# Altium PCB CrypTech.PcbDoc (part 2 of 6) (continued)
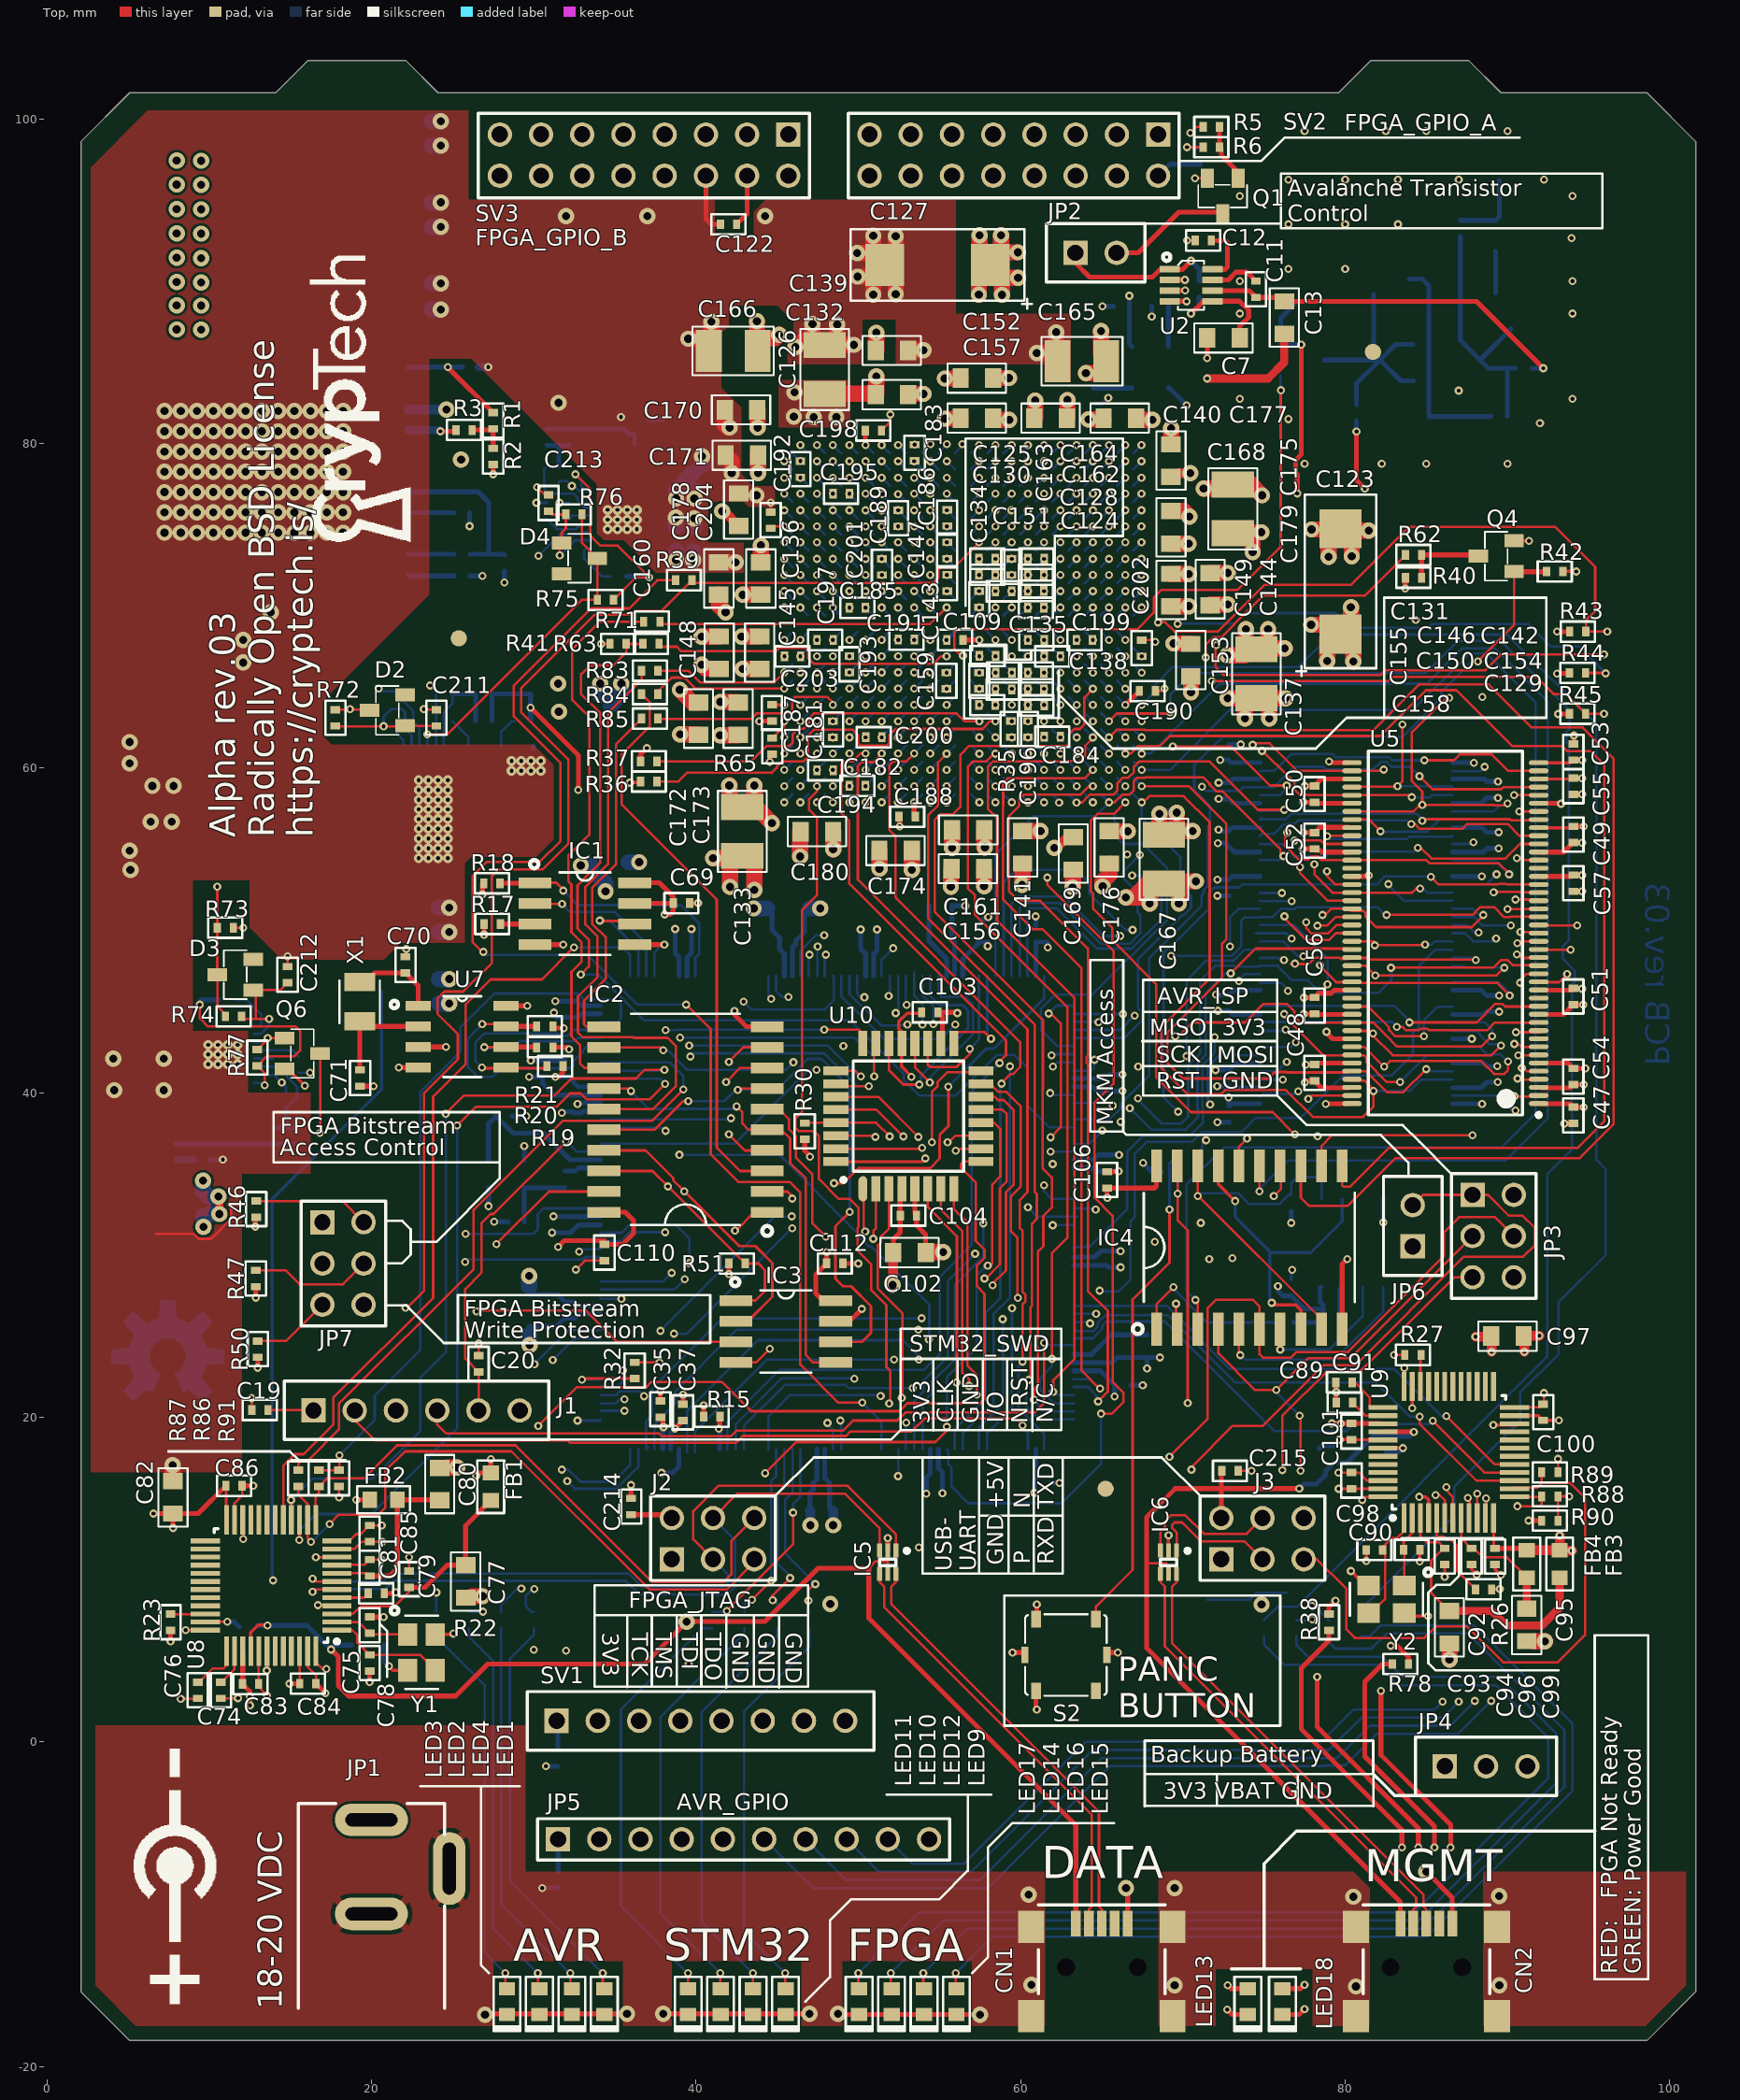
[diagram p0: Top view]
## Nets (pads, with @x,y where several pads share a name; then routed paths per layer and width w, separated by ;. In a path a pad name is that pad's centre, name@x,y a point inside that pad or via, vN(x,y) a via of type N, cw(c..) or ccw(c..) an arc to the next point about the centre after c; other vN are vias at no path point) (continued)
  Top w0.15: v1(47.902,43.877) 47.9,43.875 50.05,43.875 50.289,43.636 U10.24@50.289,42.792
  Inner Layer 2 w0.15: v1(38.127,43.852) 33.6,48.379 33.6,53.25 34.3,53.95 34.3,60.075 36.55,62.325 36.55,68.475 43,74.925 43,78.575 43.81,79.385 46.938,79.385 v1(47.449,79.896)
  Bottom w0.15: v1(38.127,43.852) 38.805,43.852 38.828,43.875 47.9,43.875 v1(47.902,43.877) ; v1(47.449,79.896) U13.A20@47.944,79.4
AVR_GPIO_FPGA_2: U10.25 U13.A18 | length 59.5
  Top w0.15: U10.25@48.608,41.35 49.804,41.35 v1(50.152,41.002)
  Inner Layer 2 w0.15: v1(39.575,42.9) 39.575,43.75 35.6,47.725 35.6,54.8 36.6,55.8 36.6,59.975 37.55,60.925 37.55,66.375 42.575,71.4 42.9,71.4 44.775,73.275 44.775,73.906 45.246,74.376 45.776,74.376 45.918,74.517 45.918,75.1 46.225,75.407 46.708,75.407 46.974,75.674 46.974,78.086 47.252,78.364 47.58,78.364 47.965,78.749 47.965,79.102 48.243,79.38 48.94,79.38 v1(49.456,79.896)
  Bottom w0.15: v1(39.575,42.9) 48.125,42.9 50.023,41.002 v1(50.152,41.002) ; v1(49.456,79.896) U13.A18@49.951,79.4
AVR_GPIO_FPGA_3: U10.26 U13.A19 | length 66.9
  Top w0.15: U10.26@48.841,40.557 48.998,40.4 v1(50.65,40.4)
  Inner Layer 2 w0.15: v1(39.65,42.225) 39.05,42.225 32.952,48.323 32.952,51.995 32.175,52.772 32.175,54.625 33.375,55.825 33.375,68.672 38.878,74.175 40.15,74.175 40.825,74.85 40.825,78.175 42.575,79.925 45.791,79.925 46.236,80.371 47.646,80.371 48.121,79.896 v1(48.44,79.896)
  Bottom w0.15: v1(39.65,42.225) 39.675,42.225 39.875,42.425 47.888,42.425 49.913,40.4 v1(50.65,40.4) ; v1(48.44,79.896) U13.A19@48.935,79.4
AVR_LED1: R96.2 U10.9 | length 60.3
  Top w0.15: v1(30.276,19.476) 32.651,21.85 36.925,21.85 37.25,22.175 41.6,22.175 43.4,20.375 52.525,20.375 53.013,20.863 57.513,20.863 57.775,21.125 57.775,27.604 57.303,28.076 57.303,29.35 57.775,29.822 57.775,30.325 57.225,30.875 57.225,32.147 57.25,32.172 57.25,34.45 56.325,35.375 56.325,35.625 56.456,35.756 U10.9@57.325,35.756
  Inner Layer 2 w0.15: v1(24,9.2) 27.938,13.137 27.938,17.137 v1(30.276,19.476)
  Bottom w0.15: R96.2@24,8 v1(24,9.2)
AVR_LED2: R95.2 U10.10 | length 45.7
  Top w0.15: v1(56,36.425) 56.118,36.543 U10.10@57.325,36.543
  Inner Layer 1 w0.15: v1(30.026,9.425) v1@30.026,9.549
  Inner Layer 2 w0.15: v1(30.026,9.425) 30.026,16.898 31.703,18.575 32.147,18.575 38.65,25.078 v1(38.65,25.15) ; v1(45.925,31.65) 49.147,31.65 49.822,32.325 52.925,32.325 56,35.4 v1(56,36.425)
  Bottom w0.15: R95.2@30,8 29.875,8 29.525,8.35 29.525,9 30,9.475 30.026,9.449 v1(30.026,9.425) ; v1(38.65,25.15) 39.425,25.15 v1(45.925,31.65)
AVR_LED3: R31.2 U10.11 | length 47.2
  Top w0.15: v1(55.5,36.95) 55.575,36.95 55.981,37.356 U10.11@57.325,37.356
  Inner Layer 2 w0.15: v1(29.238,9.45) 29.238,17.138 35.025,22.925 35.025,23.097 37.253,25.325 v1(37.8,25.325) ; v1(45.9,32.375) 48.55,32.375 49,32.825 49,32.847 49.278,33.125 52.925,33.125 55.5,35.7 v1(55.5,36.95)
  Bottom w0.15: R31.2@28,8 28,8.462 29.113,9.575 v1(29.238,9.45) ; v1(37.8,25.325) 44.85,32.375 v1(45.9,32.375)
AVR_LED4: R97.2 U10.12 | length 55.5
  Top w0.15: v1(44.25,16.55) 46.175,18.475 54.75,18.475 v1@55.475,19.2 ; U10.12@57.325,38.144 58.381,38.144 58.75,37.775 58.75,34.85 58.25,34.35 58.25,29.475 58.125,29.35 v1(57.975,29.35)
  Inner Layer 2 w0.15: v1@26.975,7.925 30.15,7.925 38.775,16.55 v1(44.25,16.55)
  Bottom w0.15: R97.2@26,8 26.851,8 v1(26.876,8.025) ; v1(55.453,19.426) 55.453,22.453 57.303,24.303 57.303,28.748 57.905,29.35 v1(57.975,29.35)
AVR_PANIC: R82.1 S2.A2 U10.13 | length 56.7
  Top w0.15: U10.13@57.325,38.956 58.869,38.956 59.15,38.675 59.15,34.525 58.725,34.1 58.725,29.428 57.848,28.551 v1(57.778,28.551) ; S2.A2@64.65,7.561 64.65,8.35 66.9,10.6 66.9,27.262 69.175,29.537 v1(69.175,32.8)
  Inner Layer 2 w0.15: v1(57.778,28.551) 57.831,28.604 64.568,28.604 65.732,29.768 66.353,29.768 66.632,30.047 66.632,30.257 v1(69.175,32.8)
  Bottom w0.15: v1(69.175,32.8) 69.175,35.675 69.706,36.206 R82.1@69.706,36.23
AVR_RESET: JP3.5 R30.1 U10.29 | length 82.7
  Top w0.15: R30.1@46.719,38.144 48.841,38.144 51.106,38.144 51.925,37.325 v1(51.925,37.3) ; v1(76.125,16.75) 76.125,20.075 78.85,22.8 80.9,22.8 86.726,28.626 JP3.5@87.847,28.626
  Top w0.3: R30.1@46.7,38.125 R30.1@46.719,38.144
  Inner Layer 2 w0.15: v1(51.925,37.3) 51.225,36.6 45.7,36.6 43.275,34.175 43.275,21.15 48.525,15.9 52.647,15.9 53.173,16.426 62.597,16.426 62.798,16.225 75.6,16.225 v1(76.125,16.75)
BOOT0: R15.2 U4.197 | length 2.1
  Top w0.3: v1(41.4,19.3) 41.47,19.37 R15.2@41.47,20.041
  Bottom w0.3: v1(41.4,19.3) 41.453,19.247 U4.197@41.453,18.034
D1_N: CN1.D- IC5.4 | length 27
  Top w0.15: IC5.4@51.316,10.349 51.316,9.849 51.591,9.574 51.591,8.309 64.375,-4.475 64.375,-10.15 64.2,-10.325 CN1.D-@64.2,-11.2
D1_P: CN1.D+ IC5.6 | length 27
  Top w0.15: IC5.6@52.316,10.349 52.316,9.849 52.041,9.574 52.041,8.495 64.825,-4.289 64.825,-10.15 65,-10.325 CN1.D+@65,-11.2
DIGITIZED_NOISE: U3.4 U13.W19 | length 48.4
  Top w0.15: v1(56.45,66.925) 56.325,66.925 55.906,67.344 55.906,68.356 56.1,68.55 67.175,68.55 68.2,69.575 68.2,70.5 68.662,70.962 73.362,70.962 76.025,73.625 76.025,83.25 v1(76.05,83.275)
  Inner Layer 2 w0.15: v1(48.44,60.889) 48.44,61.202 48.981,61.743 48.981,62.086 49.259,62.365 49.602,62.365 49.971,62.733 49.971,63.086 50.25,63.365 50.593,63.365 50.962,63.733 50.962,64.086 51.24,64.364 51.584,64.364 51.978,64.759 51.978,65.086 52.256,65.364 52.602,65.364 52.788,65.55 53.111,65.55 53.247,65.414 53.64,65.414 53.959,65.733 53.959,66.086 54.237,66.365 54.581,66.365 54.97,66.754 54.97,67.082 55.249,67.36 56.015,67.36 v1(56.45,66.925)
  Bottom w0.15: v1(48.44,60.889) U13.W19@48.935,61.385 ; U3.4@76.018,84.191 76.018,83.082 v1@76.025,83.075
DM_N: CN2.D- IC6.4 | length 28.2
  Top w0.15: IC6.4@68.613,10.349 68.613,9.849 68.888,9.574 68.888,5.887 84.375,-9.6 84.375,-10.15 84.2,-10.325 CN2.D-@84.2,-11.2
DM_P: CN2.D+ IC6.6 | length 28.2
  Top w0.15: IC6.6@69.613,10.349 69.613,9.849 69.338,9.574 69.338,6.073 84.825,-9.414 84.825,-10.15 85,-10.325 CN2.D+@85,-11.2
FMC_A0: U4.16 U5.25 U6.25 U13.Y17 | length 105.3
  Top w0.15: v1(90,51.3) 92.074,51.3 U5.25@92.1,51.326
  Inner Layer 1 w0.164: v1(35.4,27.3) 34.275,28.425 34.275,47.225 35.157,48.107 35.157,51.047 42.303,58.193 43.903,58.193 44.082,58.372 47.613,58.372 47.958,58.716 47.958,59.089 48.276,59.407 49.658,59.407 50.14,59.889 v1(50.446,59.889) ; v1(72.9,49) 73.25,49 75.632,51.382 76.418,51.382 76.482,51.318 76.9,51.318 77.016,51.434 78.803,51.434 78.856,51.382 82.302,51.382 82.354,51.434 82.754,51.434 82.806,51.382 88.252,51.382 88.305,51.434 89.866,51.434 v1(90,51.3)
  Inner Layer 2 w0.164: v1@50.446,59.746 v1(50.446,59.889) 50.955,59.381 50.955,57.655 50.2,56.9 50.2,52.4 57.243,45.357 69.257,45.357 v1(72.9,49)
  Bottom w0.15: U4.16@34.112,27.356 34.168,27.3 v1(35.4,27.3) ; v1(50.446,59.889) U13.Y17@50.942,60.385 ; v1(72.9,49) 72.9,50.8 73.426,51.326 U6.25@74.74,51.326
FMC_A1: U4.17 U5.26 U6.26 U13.AB16 | length 96.7
  Top w0.15: v1(90.5,51.9) 92.027,51.9 U5.26@92.1,51.826
  Inner Layer 1 w0.164: v1(39.3,28.5) 39,28.8 39,29.975 45.175,36.15 45.175,47.3 46.11,48.235 46.11,51.629 48.749,54.268 48.753,54.268 51.4,56.915 51.4,57.853 v1(51.437,57.89) ; v1(76.7,51.8) 76.721,51.779 84.955,51.779 84.976,51.8 90.4,51.8 v1(90.5,51.9)
  Inner Layer 2 w0.164: v1(51.437,57.89) 51.437,55.437 50.514,54.514 50.514,52.686 57.529,45.671 68.846,45.671 72.657,49.482 73.1,49.482 73.107,49.475 74.6,49.475 75.105,49.98 76.495,49.98 77.05,50.535 77.05,51.45 v1(76.7,51.8)
  Bottom w0.15: U4.17@34.112,27.864 38.664,27.864 v1(39.3,28.5) ; v1(51.437,57.89) U13.AB16@51.932,58.385 ; U6.26@74.74,51.826 74.767,51.8 v1(76.7,51.8)
FMC_A2: U4.18 U5.27 U6.27 U13.AA16 | length 97.4
  Top w0.15: v1(89.15,52.35) 89.175,52.375 90.697,52.375 90.722,52.35 91.977,52.35 92.027,52.4 U5.27@92.1,52.326
  Inner Layer 1 w0.164: v1(38.5,28.9) 38.5,30.9 43.975,36.375 43.975,47.075 45.562,48.662 45.562,51.862 47.718,54.018 47.718,55.303 48.315,55.9 49.825,55.9 50.955,57.03 50.955,58.089 51.237,58.372 51.247,58.372 51.437,58.562 v1(51.437,58.89) ; v1(76.1,52.3) 84.218,52.3 84.425,52.093 84.825,52.093 85.032,52.3 v1@89.15,52.3
  Inner Layer 2 w0.164: v1(51.437,58.89) 51.437,58.571 51.919,58.089 51.919,57.671 51.754,57.506 51.754,54.446 52.032,54.168 52.032,51.868 57.8,46.1 68.675,46.1 72.45,49.875 74.325,49.875 74.833,50.383 76.361,50.383 76.453,50.383 76.736,50.665 76.736,51.064 76.493,51.307 76.1,51.7 v1(76.1,52.3)
  Bottom w0.15: U4.18@34.112,28.372 37.972,28.372 v1(38.5,28.9) ; v1(51.437,58.89) U13.AA16@51.932,59.385 ; U6.27@74.74,52.326 74.767,52.3 v1(76.1,52.3)
FMC_A3: U4.22 U5.60 U6.60 U13.Y16 | length 94.8
  Top w0.15: v1(78.104,54.078) 78.104,53.446 79.224,52.326 84.126,52.326 84.375,52.575 v1(84.625,52.575)
  Inner Layer 1 w0.164: v1(32.8,30.2) 32.8,38.518 32.218,39.1 32.218,39.5 32.657,39.939 32.657,45.75 32.35,46.057 32.35,47.85 32.989,48.489 32.989,52.939 40.95,60.9 44.725,60.9 45.253,60.371 50.955,60.371 v1(51.437,59.889)
  Inner Layer 2 w0.164: v1(51.437,59.889) 51.926,59.4 54.605,59.4 54.916,59.089 54.916,58.732 55.249,58.4 55.679,58.4 56.179,57.9 56.179,56.546 56.975,55.75 56.975,54.275 57.675,53.575 58.175,53.575 58.525,53.225 58.525,51.725 60.25,50 65.65,50 66.325,50.675 68.4,50.675 68.825,51.1 68.825,52.925 69.731,53.831 71.294,53.831 71.475,53.65 74.025,53.65 75.432,55.057 76.572,55.057 77.244,54.385 77.797,54.385 v1(78.104,54.078)
  Bottom w0.15: v1(32.8,30.2) 32.953,30.353 U4.22@34.112,30.353 ; v1(51.437,59.889) U13.Y16@51.932,60.385 ; v1(84.625,52.575) 84.825,52.575 85.074,52.326 U6.60@86.614,52.326
FMC_A4: U4.23 U5.61 U6.61 U13.AB17 | length 98.8
  Top w0.15: v1(77.229,53.903) 77.229,53.521 78.924,51.826 U5.61@80.227,51.826
  Inner Layer 1 w0.164: v1(38.1,31.4) 43.5,36.8 43.5,48 45.15,49.65 45.15,52.15 47.3,54.3 47.3,55.6 47.975,56.275 49.425,56.275 50.446,57.296 v1(50.446,57.89) ; v1(77.229,53.903) 78.331,52.8 v1@82.654,52.8
  Inner Layer 2 w0.164: v1(50.446,57.89) 49.75,57.193 49.75,52.15 57.425,44.475 61.275,44.475 61.925,43.825 68.45,43.825 72.104,47.479 72.104,47.63 72.62,48.146 72.77,48.146 73.642,49.018 76.9,49.018 76.964,49.082 78.75,49.082 79.55,49.882 79.55,51.825 77.472,53.903 v1(77.229,53.903)
  Bottom w0.15: U4.23@34.112,30.861 35.361,30.861 35.9,31.4 v1(38.1,31.4) ; v1(50.446,57.89) U13.AB17@50.942,58.385 ; v1(82.654,52.853) 82.626,52.825 82.625,52.825 83.624,51.826 U6.61@86.614,51.826
FMC_A5: U4.24 U5.62 U6.62 U13.AA13 | length 93.7
  Top w0.15: v1(78.604,50.952) 78.648,50.952 78.7,50.9 79.126,51.326 80.227,51.326 80.342,51.211 81.123,51.211 81.259,51.075 81.259,50.841 81.9,50.2 87.8,50.2 88.504,50.904 v1(88.504,50.952)
  Inner Layer 1 w0.164: v1(39.6,29.5) 46.945,36.845 46.945,45.12 54.1,52.275 54.1,55.6 54.963,56.463 54.963,58.36 v1(54.434,58.89)
  Inner Layer 2 w0.164: v1(54.434,58.89) 54.434,58.666 54.963,58.137 54.963,54.837 56.5,53.3 56.5,52.25 56.025,51.775 56.025,51.25 57.768,49.507 58.175,49.507 58.457,49.225 58.457,48.918 58.95,48.425 67,48.425 67.888,49.312 69.163,49.312 71.475,51.625 73.164,51.625 75.15,53.611 76.395,53.611 76.899,53.107 77.193,53.107 78.604,51.696 v1(78.604,50.952)
  Bottom w0.15: U4.24@34.112,31.369 35.425,31.369 35.938,31.882 38.718,31.882 39.6,31 v1(39.6,29.5) ; v1(54.434,58.89) U13.AA13@54.929,59.385 ; U6.62@86.614,51.326 87.874,51.326 88.3,50.9 88.352,50.952 v1(88.504,50.952)
FMC_A6: U4.71 U5.63 U6.63 U13.AB13 | length 72.7
  Top w0.15: v1(78.29,50.29) 78.89,50.29 79.426,50.826 U5.63@80.227,50.826
  Inner Layer 1 w0.164: v1(45.7,45.9) 46.677,45.9 50.666,49.889 50.666,50.252 52.45,52.036 52.45,54.55 54.434,56.534 v1(54.434,57.89) ; v1(78.29,50.29) 78.45,50.45 89.025,50.45 89.175,50.3 v1(90.2,50.3)
  Inner Layer 2 w0.164: v1(54.434,57.89) 54.434,54.766 54.925,54.275 54.925,51.393 58.393,47.925 67.125,47.925 68.107,48.907 69.507,48.907 71.8,51.2 73.462,51.2 75.413,53.151 76.411,53.151 76.769,52.793 77.007,52.793 78.082,51.718 78.082,50.318 78.29,50.11 v1(78.29,50.29)
  Bottom w0.15: U4.71@44.933,47.193 44.933,46.267 45.3,45.9 v1(45.7,45.9) ; v1(54.434,57.89) U13.AB13@54.929,58.385 ; U6.63@86.614,50.826 87.945,50.826 88.472,50.3 v1(90.2,50.3)
FMC_A7: U4.74 U5.64 U6.64 U13.AA15 | length 70.6
  Top w0.15: v1(77.6,50.5) 77.6,50.132 77.923,49.808 78.928,49.808 79.446,50.326 U5.64@80.227,50.326
  Inner Layer 1 w0.164: v1(47.9,49.7) 48.963,50.762 48.963,52.987 51.75,55.775 52.607,55.775 53.075,56.243 53.075,57.576 52.961,57.69 52.961,58.063 52.453,58.571 v1(52.453,58.89) ; v1(77.6,50.5) 77.6,50.299 78.091,49.808 78.49,49.808 78.782,50.1 88.175,50.1 88.225,50.05 v1(88.225,49.875)
  Inner Layer 2 w0.164: v1(52.453,58.89) 52.453,58.571 52.961,58.063 52.961,57.651 53.45,57.163 53.45,54.65 54.1,54 54.1,51.1 58.15,47.05 68.325,47.05 69.218,47.943 69.475,47.943 69.757,48.225 69.757,48.432 72,50.675 73.793,50.675 75.9,52.782 76.3,52.782 76.603,52.479 76.877,52.479 77.6,51.756 v1(77.6,50.5)
  Bottom w0.15: U4.74@46.431,47.193 46.431,48.731 47.4,49.7 v1(47.9,49.7) ; v1(52.453,58.89) U13.AA15@52.948,59.385 ; U6.64@86.614,50.326 87.504,50.326 88.03,49.8 88.105,49.875 v1(88.225,49.875)
FMC_A8: U4.75 U5.65 U6.65 U13.AB15 | length 69.3
  Top w0.15: v1(76.254,50.865) 76.254,50.746 77.6,49.4 79,49.4 79.426,49.826 U5.65@80.227,49.826
  Inner Layer 1 w0.164: v1(47,48.5) 47,49.6 48.575,51.175 48.575,53.107 52.453,56.985 v1(52.453,57.89) ; v1(76.254,50.865) 76.435,50.865 78,49.3 81.349,49.3 81.656,49.607 87.811,49.607 88.025,49.393 89.193,49.393 v1(89.3,49.5)
  Inner Layer 2 w0.164: v1(52.453,57.89) 52.453,57.689 52.068,57.304 52.068,54.66 52.453,54.275 52.453,52.147 57.975,46.625 68.601,46.625 72.251,50.275 74.125,50.275 74.715,50.865 v1(76.254,50.865)
  Bottom w0.15: U4.75@46.939,47.193 46.939,48.439 v1(47,48.5) ; v1(52.453,57.89) U13.AB15@52.948,58.385 ; U6.65@86.614,49.826 87.377,49.826 87.878,49.325 89.125,49.325 v1(89.3,49.5)
FMC_A9: U4.76 U5.66 U6.66 U13.Y13 | length 66
  Top w0.15: U5.66@80.227,49.318 81.782,49.318 82,49.1 v1@84.9,49.1
  Inner Layer 1 w0.164: v1(47.5,49) 47.882,49 49.35,50.468 49.35,52.885 51.84,55.375 52.775,55.375 53.926,56.526 53.926,59.325 54.434,59.834 v1(54.434,59.889)
  Inner Layer 2 w0.164: v1(54.434,59.889) 54.56,59.889 55.047,59.403 55.897,59.403 56.5,58.8 56.5,56.95 57.45,56 58.05,56 58.95,55.1 58.95,51.9 60.467,50.383 65.483,50.383 66.2,51.1 66.925,51.1 67.218,51.393 67.218,51.953 69.5,54.235 71.462,54.235 71.622,54.075 73.694,54.075 76.169,56.55 77.75,56.55 78.418,55.882 78.418,55.5 78.45,55.5 80.575,53.375 80.575,50.325 v1(81.825,49.075)
  Bottom w0.15: U4.76@47.447,47.193 47.482,47.228 47.482,48.982 v1(47.5,49) ; v1(54.434,59.889) U13.Y13@54.929,60.385 ; v1(84.925,49.125) 85.325,49.125 85.518,49.318 U6.66@86.614,49.318
FMC_A10: U4.77 U5.24 U6.24 U13.AA14 | length 69.2
  Top w0.15: v1(82.554,50.952) 87.871,50.952 88.029,51.111 88.029,51.149 88.308,51.427 89.191,51.427 89.8,50.818 90.2,50.818 90.232,50.85 92.077,50.85 U5.24@92.1,50.826
  Inner Layer 1 w0.164: v1(48,48.5) 47.518,48.018 46.8,48.018 46.5,48.318 46.5,49.1 46.686,49.286 46.686,51.761 48.879,53.954 48.883,53.954 51.971,57.042 51.971,59.089 52.282,59.4 52.9,59.4 53.411,58.89 v1(53.443,58.89)
  Inner Layer 2 w0.164: v1(53.443,58.89) 53.443,58.571 53.926,58.089 53.926,54.675 54.55,54.05 54.55,51.25 58.275,47.525 67.537,47.525 68.437,48.425 v1(69.275,48.425)
  Bottom w0.15: U4.77@47.93,47.193 47.93,48.43 v1(48,48.5) ; v1(53.443,58.89) U13.AA14@53.939,59.385 ; v1(69.275,48.425) 73.007,48.425 73.6,49.018 73.6,50.6 73.8,50.8 74.714,50.8 74.74,50.826 75.534,50.826 76.054,51.347 76.472,51.347 76.5,51.318 76.9,51.318 77.009,51.427 81.973,51.427 82.448,50.952 v1(82.554,50.952)
FMC_A11: U4.78 U5.21 U6.21 U13.Y14 | length 96.1
  Top w0.15: v1(90.6,49.2) 90.718,49.318 U5.21@92.1,49.318
  Inner Layer 1 w0.164: v1(42.925,45.6) 42.925,48.225 44.75,50.05 44.75,53.91 47.54,56.7 49.075,56.7 49.95,57.575 49.95,58.075 50.247,58.372 50.621,58.372 50.955,58.705 50.955,59.089 51.273,59.407 51.637,59.407 51.971,59.742 51.971,60.089 52.282,60.4 52.933,60.4 v1(53.443,59.889) ; v1(77.425,48.4) 77.45,48.425 81.225,48.425 81.371,48.279 85.654,48.279 86.05,48.675 89.7,48.675 90.225,49.2 v1(90.6,49.2)
  Inner Layer 2 w0.164: v1(53.443,59.889) 53.171,59.889 52.653,60.407 50.283,60.407 49.964,60.089 49.964,58.716 49.619,58.372 49.256,58.372 48.974,58.089 48.974,55.512 49.182,55.303 49.182,51.993 50.666,50.509 50.666,49.843 50.675,49.834 50.675,49.443 55.5,44.618 55.5,44.407 55.493,44.4 55.493,43.832 55.75,43.575 56.45,43.575 56.682,43.807 58.643,43.807 59.05,43.4 68.718,43.4 72.418,47.1 72.418,47.5 72.75,47.832 73.032,47.832 73.857,48.657 77.168,48.657 v1(77.425,48.4)
  Bottom w0.15: v1(42.925,45.6) 43.4,45.125 47.925,45.125 48.5,45.7 48.5,47.131 U4.78@48.438,47.193 ; v1(53.443,59.889) U13.Y14@53.939,60.385 ; U6.21@74.74,49.318 76.203,49.318 77.122,48.4 v1(77.425,48.4)
FMC_A12: U4.129 U5.69 U6.69 U13.AB10 | length 82.5
  Top w0.15: U5.69@80.227,47.82 81.255,47.82 v1(81.85,47.225) 89.325,47.225 v1(89.8,47.7)
  Inner Layer 1 w0.164: v1(58.453,57.885) 58.453,57.582 59.65,56.385 59.65,53.5 59.35,53.2 59.35,43 59.925,42.425 59.925,35.825 v1(61.45,34.3)
  Inner Layer 2 w0.164: v1(58.453,57.885) 59.744,56.594 59.744,54.331 60.85,53.225 60.85,52.35 61.675,51.525 63.625,51.525 64.175,52.075 64.175,52.86 64.75,53.435 65.81,53.435 66.432,54.057 67.772,54.057 68.75,55.035 71.809,55.035 71.95,54.893 72.443,54.893 75.475,57.925 76.693,57.925 77.206,57.413 77.605,57.413 77.617,57.425 79.05,57.425 79.837,56.638 79.837,55.669 81.932,53.575 81.932,52.368 83.2,51.1 83.2,48.925 81.85,47.575 v1(81.85,47.225)
  Bottom w0.15: U13.AB10@57.953,58.385 v1(58.453,57.885) ; v1(61.45,34.3) 61.45,33.979 61.425,33.954 61.929,33.45 63.197,33.45 U4.129@63.271,33.376 ; U6.69@86.614,47.82 86.634,47.8 87.325,47.8 87.425,47.7 v1(89.8,47.7)
FMC_A13: U4.130 U13.V2 | length 40.6
  Inner Layer 1 w0.164: v1(64.625,32.8) 65.375,32.8 68.325,35.75 68.325,46.3 70.35,48.325 70.35,50.025 71.7,51.375 72.15,51.375 72.825,52.05 72.825,59.25 69.675,62.4 66.9,62.4 66.453,61.953 v1(66.453,61.885)
  Bottom w0.15: U4.130@63.271,32.868 64.557,32.868 v1(64.625,32.8) ; U13.V2@65.953,62.385 v1(66.453,61.885)
FMC_A14: U4.131 U5.22 U6.22 U13.AB12 | length 91.4
  Top w0.15: v1(90.8,49.9) 92.027,49.9 U5.22@92.1,49.826
  Inner Layer 1 w0.164: v1(55.445,57.885) 55.277,57.717 55.277,56.227 54.525,55.475 54.525,51.957 49.875,47.307 49.875,43.525 v1(60.45,32.95) ; v1(76.7,49.5) 77.314,49.5 77.914,48.9 81.318,48.9 81.625,48.593 85.243,48.593 85.65,49 89.5,49 90.3,49.8 90.8,49.8 v1(90.8,49.9)
  Inner Layer 2 w0.164: v1(55.445,57.885) 55.445,56.44 56.507,55.378 56.507,53.893 56.814,53.586 56.814,52.236 57.743,51.307 58.2,51.307 59.964,49.543 65.556,49.543 65.929,49.17 66.97,49.17 67.675,49.875 69.01,49.875 71.782,52.647 72.328,52.647 72.332,52.65 73.625,52.65 74.975,54 76.45,54 77.029,53.421 77.498,53.421 79.1,51.818 79.1,50.1 78.6,49.6 76.8,49.6 v1(76.7,49.5)
  Bottom w0.15: v1(55.445,57.885) U13.AB12@55.945,58.385 ; v1(60.45,32.95) 61.04,32.36 U4.131@63.5,32.36 ; U6.22@74.5,49.826 76.374,49.826 v1(76.7,49.5)
FMC_A15: U4.132 U5.23 U6.23 U13.AB8 | length 101.8
  Top w0.15: U5.23@92.1,50.326 92.127,50.3 v1(94.3,50.3)
  Inner Layer 1 w0.164: v1(60.453,57.885) 60.453,57.297 60.825,56.925 61.6,56.925 62.825,55.7 62.825,53.975 62.471,53.621 62.471,52.956 62.468,52.953 62.468,52.347 62.471,52.344 62.471,52.104 63.075,51.5 63.075,41.618 62.575,41.118 61.993,41.118 60.725,39.85 60.725,35.707 62,34.432 v1@62,31.828 ; v1(61.975,31.828) v1@62,31.828 ; 62.25,31.95 v1@62.128,31.828 ; v1(78.904,46.677) 85.752,46.677 86.075,47 90.075,47 93.375,50.3 v1(94.3,50.3) ; v1@62,31.828 v1@62.128,31.828 ; v1@62,31.828 62,31.7 v1@62.128,31.828
  Inner Layer 2 w0.164: v1(60.453,57.885) 60.453,54.847 61.164,54.136 61.164,52.936 61.5,52.6 62.025,52.6 62.975,53.55 63.975,53.55 64.575,54.15 65.079,54.15 66.297,55.368 66.903,55.368 66.928,55.393 70.903,55.393 71.575,56.065 71.575,56.475 73.68,58.58 76.064,58.58 76.231,58.413 78.837,58.413 80.269,56.981 80.269,55.919 83.537,52.651 83.537,47.731 82.484,46.677 v1(78.904,46.677)
  Bottom w0.15: U13.AB8@59.953,58.385 v1(60.453,57.885) ; v1@61.852,31.852 U4.132@63.271,31.852 ; v1@61.953,31.828 v1(61.975,31.828) ; U6.23@74.74,50.326 76.874,50.326 77.237,49.963 78.925,48.275 78.925,46.868 78.904,46.847 v1(78.904,46.677)
FMC_A16: U4.111 U13.AA9 | length 20.6
  Inner Layer 1 w0.164: v1(59.453,58.885) 59.435,58.885 58.95,58.4 58.95,57.675 60.075,56.55 60.075,55.3 60.832,54.543 60.832,51.832 60.3,51.3 60.3,43.9 v1(61.9,42.3)
  Bottom w0.15: U13.AA9@58.953,59.385 v1(59.453,58.885) ; v1(61.9,42.3) 61.967,42.367 U4.111@63.271,42.367
FMC_A17: U4.112 U13.AA8 | length 21
  Inner Layer 1 w0.164: v1(60.453,58.885) 59.971,58.403 59.971,57.275 60.475,56.771 60.475,55.425 62.157,53.743 62.157,53.086 62.154,53.083 62.154,52.217 62.157,52.214 62.157,45.125 62.207,45.075 62.207,44.675 62.157,44.625 62.157,43.118 62.6,42.675 62.6,42.2 v1(62,41.6)
  Bottom w0.15: U13.AA8@59.953,59.385 v1(60.453,58.885) ; v1(62,41.6) 62.259,41.859 U4.112@63.271,41.859
FMC_A18: U4.113 U13.Y7 | length 22.7
  Inner Layer 1 w0.164: v1(61.453,59.885) 60.971,59.403 60.971,57.529 61.175,57.325 61.724,57.325 63.2,55.849 63.2,53.925 64.007,53.118 64.007,52.182 63.575,51.75 63.575,43.625 64.528,42.672 v1@64.528,42.025
  Bottom w0.15: U13.Y7@60.953,60.385 v1(61.453,59.885) ; U4.113@63.271,41.351 64.351,41.351 64.528,41.528 v1@64.528,42.025
  other v1: 64.553,42.025
FMC_A19: U4.2 U13.AB21 | length 46.4
  Inner Layer 1 w0.164: v1(35.6,20.4) 36.1,20.9 36.1,21.8 36.6,22.3 36.6,27.7 36.05,28.25 36.05,38.988 36.737,39.675 36.737,51.173 42.897,57.332 45.876,57.332 v1(46.433,57.89)
  Bottom w0.15: U4.2@34.112,20.371 34.141,20.4 v1(35.6,20.4) ; v1(46.433,57.89) U13.AB21@46.928,58.385
FMC_A20: U4.3 U13.AB22 | length 45.7
  Inner Layer 1 w0.164: v1(35.6,21.1) 35.6,22.1 36,22.5 36,27.55 34.75,28.8 34.75,39.675 36.233,41.158 36.233,51.333 42.6,57.7 44.4,57.7 44.589,57.89 v1(45.442,57.89)
  Bottom w0.15: U4.3@34.112,20.853 35.053,20.853 35.3,21.1 v1(35.6,21.1) ; v1(45.442,57.89) U13.AB22@45.938,58.385
FMC_A21: U4.4 U13.AB20 | length 46.3
  Inner Layer 1 w0.164: v1(36.8,21.3) 36.8,21.7 37.2,22.1 37.2,27.975 36.55,28.625 36.55,38.8 37.237,39.488 37.237,44.15 39.2,46.112 39.2,51.536 43.539,55.875 44.365,55.875 44.372,55.868 45.118,55.868 47.139,57.89 v1(47.449,57.89)
  Bottom w0.15: U4.4@34.112,21.361 35.061,21.361 35.3,21.6 36.5,21.6 v1(36.8,21.3) ; v1(47.449,57.89) U13.AB20@47.944,58.385
FMC_A22: U4.5 U13.Y21 | length 48.8
  Inner Layer 1 w0.164: v1(35.5,22.9) 33.875,24.525 33.875,47.635 34.558,48.318 34.558,51.223 40.614,57.279 40.614,58.764 41.55,59.7 43.9,59.7 44.193,59.407 45.642,59.407 46.124,59.889 v1(46.433,59.889)
  Bottom w0.15: U4.5@34.112,21.869 34.157,21.914 35.214,21.914 35.5,22.2 v1(35.5,22.9) ; v1(46.433,59.889) U13.Y21@46.928,60.385
FMC_A23: U4.1 U13.Y22 | length 50.6
  Inner Layer 1 w0.164: v1(32.7,19.8) 33.482,20.582 33.482,52.585 41.197,60.3 43.85,60.3 44.261,59.889 v1(45.442,59.889)
  Bottom w0.15: v1(32.7,19.8) 34.049,19.8 U4.1@34.112,19.863 ; v1(45.442,59.889) U13.Y22@45.938,60.385
FMC_A24: U4.182 U13.AB18 | length 53.5
  Inner Layer 1 w0.164: v1(48.9,19.8) 48.325,20.375 46.343,20.375 37.5,29.218 37.5,38.025 38.25,38.775 39.725,38.775 40.607,39.657 40.607,41.282 41.782,42.457 41.782,51.057 42.862,52.137 42.862,53.353 44.509,55 45.325,55 47.419,57.094 48.66,57.094 v1(49.456,57.89)
  Bottom w0.15: v1(48.9,19.8) 48.946,19.754 U4.182@48.946,18.034 ; v1(49.456,57.89) U13.AB18@49.951,58.385
FMC_A25: U4.183 U13.AA19 | length 53.4
  Inner Layer 1 w0.164: v1(48.1,19.65) 46.275,19.65 37.025,28.9 37.025,38.25 38.582,39.807 38.582,40.285 39.415,41.118 39.725,41.118 40.894,42.287 40.894,52.662 43.707,55.475 45.25,55.475 47.183,57.408 47.649,57.408 47.931,57.69 47.931,58.063 48.44,58.571 v1(48.44,58.89)
  Bottom w0.15: v1(48.1,19.65) 48.1,19.55 48.438,19.212 U4.183@48.438,18.034 ; v1(48.44,58.89) U13.AA19@48.935,59.385
FMC_CLK: U4.167 U13.W11 | length 45.7
  Inner Layer 1 w0.164: v1(57.453,60.885) 57.95,60.388 57.95,57.2 59.014,56.136 59.014,53.939 58.925,53.85 58.925,42.7 59.4,42.225 59.4,41.675 v1(59.35,41.625)
  Bottom w0.15: U4.167@56.45,18.023 56.439,18.034 56.439,19.014 58.325,20.9 58.325,26.35 59.35,27.375 v1(59.35,41.625) ; U13.W11@56.953,61.385 v1(57.453,60.885)
FMC_D0: U4.116 U5.2 U6.2 U13.AB7 | length 87
  Top w0.15: v1(90.425,39.775) 92.057,39.775 U5.2@92.1,39.819
  Inner Layer 1 w0.164: v1(61.453,57.885) 61.609,57.885 63.514,55.979 63.514,55.011 64.321,54.204 64.321,51.271 64.3,51.25 64.3,43.7 65.1,42.9 65.1,41.775 63.3,39.975 v1(61.825,39.975) ; v1(77.1,40.075) 77.132,40.107 80.168,40.107 81.45,38.825 89.475,38.825 v1(90.425,39.775)
  Inner Layer 2 w0.164: v1(61.453,57.885) 62.407,56.932 66.618,56.932 66.625,56.925 67.5,56.925 68.15,56.275 69.685,56.275 69.85,56.44 69.865,56.44 71.72,58.295 71.72,58.297 72.039,58.616 72.402,58.616 72.405,58.619 72.489,58.619 73.45,59.58 77.502,59.58 78.008,59.074 78.751,59.074 80.75,57.075 80.75,56.075 84,52.825 84,47.656 82.707,46.363 81.513,46.363 79.925,44.775 79.925,42.3 77.732,40.107 77.132,40.107 v1(77.1,40.075)
  Bottom w0.15: U13.AB7@60.953,58.385 v1(61.453,57.885) ; v1(61.825,39.975) 61.947,39.853 U4.116@63.271,39.853 ; U6.2@74.74,39.819 74.784,39.775 74.933,39.924 76.949,39.924 v1(77.1,40.075)
FMC_D1: U4.117 U5.4 U6.4 U13.AB6 | length 90.1
  Top w0.15: v1(90.625,40.875) 90.691,40.809 U5.4@92.1,40.809
  Inner Layer 1 w0.164: v1(62.375,57.875) 63.875,56.375 63.875,55.4 65.785,53.49 65.785,52.37 64.95,51.535 64.95,49.1 65.337,48.713 65.337,44.338 66.1,43.575 66.1,41.631 65.675,41.206 v1(65.675,39.2) ; v1(76.15,40.8) 76.818,40.8 77.136,41.118 83.161,41.118 83.175,41.132 83.575,41.132 83.589,41.118 84.582,41.118 85.593,40.107 89.857,40.107 v1(90.625,40.875)
  Inner Layer 2 w0.164: v1(62.375,57.875) 62.9,57.35 67.6,57.35 68.175,57.925 68.8,57.925 70.769,59.894 78.015,59.894 78.521,59.388 78.987,59.388 81.2,57.175 81.2,56.393 84.536,53.057 84.825,53.057 85.107,52.775 85.107,51.832 84.4,51.125 84.4,47.4 83.115,46.115 82.903,46.115 82.837,46.049 81.849,46.049 80.375,44.575 80.375,42.2 79.75,41.575 79.75,40.968 77.925,39.143 77.282,39.143 76.15,40.275 v1(76.15,40.8)
  Bottom w0.15: U13.AB6@61.953,58.385 62.463,57.875 v1(62.375,57.875) ; U4.117@63.271,39.37 65.505,39.37 v1(65.675,39.2) ; U6.4@74.74,40.8 v1(76.15,40.8)